# Altium PCB TopSheet.PcbDoc (continued)
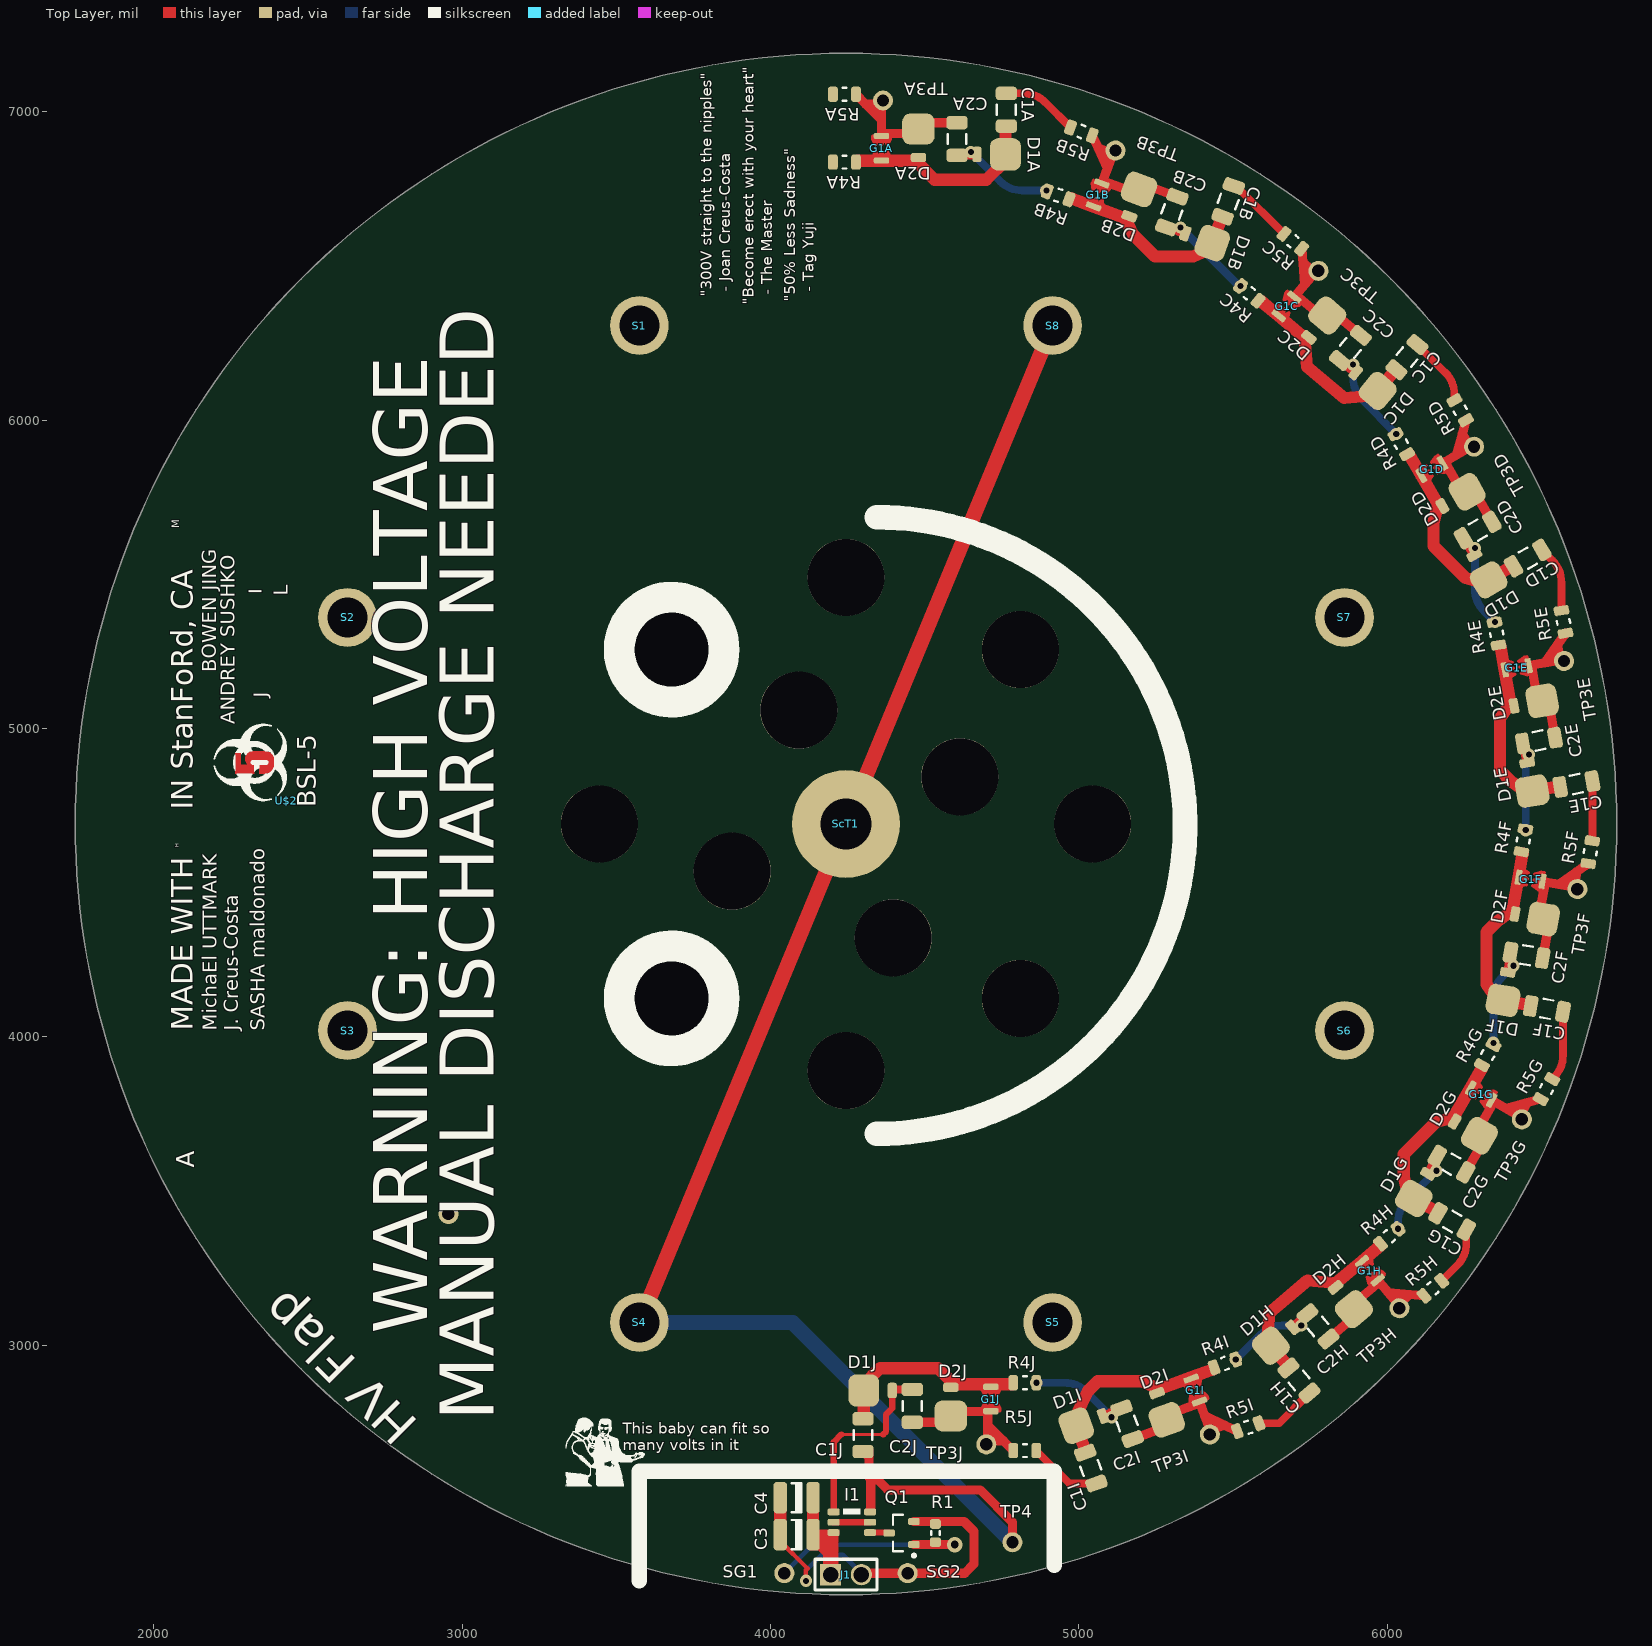
[diagram p0: Top Layer view]
## Components (designator, comment, footprint, x,y, rotation, side; value= is the part's Value field where it differs from the comment) (continued)
R5H "RES_0.0_OHM_1/8W_JUMP_0805_SMD" R0805 6148.77,3184.11 r40 top (schematic designator R5)
R5I "RES_0.0_OHM_1/8W_JUMP_0805_SMD" R0805 5549.47,2733.34 r20 top (schematic designator R5)
R5J "RES_0.0_OHM_1/8W_JUMP_0805_SMD" R0805 4825,2657.36 r0 top (schematic designator R5)
S1 "4-40 Machine screw" SCREW_4-40#1 3575,6307 r0 top
S2 "4-40 Machine screw" SCREW_4-40#1 2628,5360 r0 top
S3 "4-40 Machine screw" SCREW_4-40#1 2628,4020 r0 top
S4 "4-40 Machine screw" SCREW_4-40#1 3575,3073 r0 top
S5 "4-40 Machine screw" SCREW_4-40#1 4915,3073 r0 top
S6 "4-40 Machine screw" SCREW_4-40#1 5862,4020 r0 top
S7 "4-40 Machine screw" SCREW_4-40#1 5862,5360 r0 top
S8 "4-40 Machine screw" SCREW_4-40#1 4915,6307 r0 top
ScT1 "4-40 Machine screw" SCREW_4-40#2 4670,4335 r0 top
SG1 "TEST_POINT_BLACK_KEYSTONE_5001" TEST_POINT_KEYSTONE_5001 4045,2260 r0 top
SG2 "TEST_POINT_BLACK_KEYSTONE_5001" TEST_POINT_KEYSTONE_5001 4445,2260 r180 top
TP3A "TEST_POINT_PURPLE_KEYSTONE_5119" TEST_POINT_KEYSTONE_5119 4365,7036.85 r270 top (schematic designator TP3)
TP3B "TEST_POINT_PURPLE_KEYSTONE_5119" TEST_POINT_KEYSTONE_5119 5119.05,6874.6 r250 top (schematic designator TP3)
TP3C "TEST_POINT_PURPLE_KEYSTONE_5119" TEST_POINT_KEYSTONE_5119 5777.33,6484.31 r230 top (schematic designator TP3)
TP3D "TEST_POINT_PURPLE_KEYSTONE_5119" TEST_POINT_KEYSTONE_5119 6282.22,5913.77 r210 top (schematic designator TP3)
TP3E "TEST_POINT_PURPLE_KEYSTONE_5119" TEST_POINT_KEYSTONE_5119 6574.08,5218.83 r190 top (schematic designator TP3)
TP3F "TEST_POINT_PURPLE_KEYSTONE_5119" TEST_POINT_KEYSTONE_5119 6617.43,4478.88 r170 top (schematic designator TP3)
TP3G "TEST_POINT_PURPLE_KEYSTONE_5119" TEST_POINT_KEYSTONE_5119 6437.22,3731.92 r150 top (schematic designator TP3)
TP3H "TEST_POINT_PURPLE_KEYSTONE_5119" TEST_POINT_KEYSTONE_5119 6040.04,3119.23 r130 top (schematic designator TP3)
TP3I "TEST_POINT_PURPLE_KEYSTONE_5119" TEST_POINT_KEYSTONE_5119 5425.1,2709.57 r110 top (schematic designator TP3)
TP3J "TEST_POINT_PURPLE_KEYSTONE_5119" TEST_POINT_KEYSTONE_5119 4700,2677.56 r90 top (schematic designator TP3)
TP4 "TEST_POINT_BLACK_KEYSTONE_5001" TEST_POINT_KEYSTONE_5001 4785,2360 r0 top
U$2 "" BSL-5-SLK-SML 2430,4765 r90 top

## Footprints (in the part's own frame and the unit in brackets; to place one, negate y for a bottom-side part, rotate by r counter-clockwise, add the part's x,y. Pads: shape width x height; smd on the part's side, far side on the other; paste and mask are expansions set on the pad)
3SOT23 [mm] "SOT23, 3-Leads, Body 3.0x2.6mm (max), Pitch 1.01mm, IPC High Density"
  rrect50% 0.95x0.6 smd: 1(-1.025,0.95) 2(-1.025,-0.95) 3(1.025,0)
  silkscreen extent -1.15,-1.5 0.7,1.98, body extent -1.25,-1.5 1.25,1.5, height 1.01
ATB3225 [mm]
  rrect50% 1x0.55 smd: 1(0,-1.7) 2(0,-0.85) 3(0,0) 4(3,0) 5(3,-0.85) 6(3,-1.7)
  silkscreen extent 0.8,-2 2.25,-1.5
BSL-5-SLK-SML [mil] "BSL-5-SLK-SML"
  Top Layer region: 87.47,104.41 117.54,104.41 117.54,104.43 117.54,108.36 118.49,111.9 121.07,114.49 124.61,115.44 124.61,115.44 127.25,114.92 129.48,113.42 130.98,111.19 131.5,108.55 131.5,108.55 131.5,104.51 131.5,66.07 131.5,64.79 131.02,62.36 129.64,60.31 127.59,58.93 125.16,58.45 125.16,58.45 124.92,58.45 122.07,59.02 119.66,60.63 118.05,63.04 117.48,65.89 117.48,65.89 117.48,88.53 117.48,88.53 117.48,88.54 117.47,88.54 117.47,88.54 117.47,88.54 87.52,88.54 87.52,81.3 87.52,70.42 89.88,58.58 96.59,48.54 106.63,41.83 118.47,39.47 118.47,39.47 134.42,39.47 148.04,43.12 158.01,53.08 161.66,66.7 161.66,66.7 161.55,66.7 161.55,106.85 161.55,111.03 160.56,117.55 157.66,123.47 157.66,123.47 152.92,128.6 146.95,132.24 146.95,132.24 138.81,134.24 130.46,133.43 130.46,133.43 123.43,130.44 117.46,125.67 117.46,125.67 116.53,125.67 116.53,147.54 155.55,147.54 155.55,166.54 87.42,166.54 87.42,104.37
  silkscreen extent -1,-1 250,236
C1206 [mm] "Chip Capacitor, 2-Leads, Body 3.2x1.6mm, IPC High Density"
  rrect50% 1.1x1.75 smd: 1(-1.35,0) 2(1.35,0)
  silkscreen extent -0.4,-0.77 0.4,0.77, body extent -1.6,-0.8 1.6,0.8, height 0.78
C1210P [mm] "Chip Capacitor, 2-Leads, Body 3.2x2.5mm, IPC High Density"
  rrect50% 1.1x2.6 smd: 1(-1.35,0) 2(1.35,0)
  silkscreen extent -0.4,-1.2 0.4,1.2, body extent -1.6,-1.25 1.6,1.25, height 0.78
CONN_1x2_100MIL [mm]
  rect 1.75x1.75 hole 1.27: 1(0,0)
  round 1.75 hole 1.27: 2(0,-2.54)
  silkscreen extent -1.27,-3.81 1.27,1.27, body extent -1.3,-3.86 1.24,1.22, height 8.5
DO-220AA [mil] "SMP (DO-220AA) (Diode package)"
  rrect50% 100x105.12 smd: 1(0,0)
  rrect50% 30x50 smd: 2(92.56,0)
  body extent -49,-46 105,45, height 45
R0603 [mm] "Chip Resistor, 2-Leads, Body 1.6x0.8mm, IPC High Density"
  rrect50% 0.8x0.9 smd: 1(-0.75,0) 2(0.75,0)
  silkscreen extent -0.15,-0.35 0.15,0.35, body extent -0.8,-0.4 0.8,0.4, height 0.45
R0805 [mm] "Chip Resistor, 2-Leads, Body 2.0x1.3mm, IPC High Density"
  rrect50% 0.8x1.25 smd: 1(-0.95,0) 2(0.95,0)
  silkscreen extent -0.15,-0.53 0.15,0.53, body extent -1,-0.62 1,0.63, height 0.6
SCREW_4-40#1 [mil] "4-40 machine screw. Mmm.. tasty"
  oval 190x191 hole 128.5: 1(0,0)
SCREW_4-40#2 [mil] "4-40 machine screw. Mmm.. tasty"
  round 350 hole 166: 1(-425,355)
SPARK_GAP_450V#1 [mil]
  rrect50% 20x50 smd: 1(-19.68,0)
  rrect50% 20x50 smd paste+0 mask+0: 2(59.37,0)
  Top Layer region: -9.84,29.53 9.84,19.69 -9.84,9.84 9.84,0 -9.84,-9.84 9.84,-19.69 -9.84,-29.53 -19.68,-29.53 -19.68,29.53
  Top Layer region: 49.53,-29.53 29.84,-19.69 49.53,-9.84 29.84,0 49.53,9.84 29.84,19.69 49.53,29.53 59.37,29.53 59.37,-29.53
  Top Layer lines w10: 59.37,-29.53 59.37,29.53 49.53,29.53 29.84,19.69 49.53,9.84 29.84,0 49.53,-9.84 29.84,-19.69 49.53,-29.53 59.37,-29.53 ; -9.84,-29.53 9.84,-19.69 -9.84,-9.84 9.84,0 -9.84,9.84 9.84,19.69 -9.84,29.53 -19.68,29.53 -19.68,-29.53 -9.84,-29.53
SPARK_GAP_450V#2 [mil]
  rrect50% 20x50 smd: 1(-19.68,0)
  rrect50% 20x50 smd paste+0 mask+0: 2(59.37,0)
  Top Layer region: -9.84,29.53 9.84,19.69 -9.84,9.84 9.84,0 -9.84,-9.84 9.84,-19.68 -9.84,-29.53 -19.69,-29.53 -19.68,29.53
  Top Layer region: 49.53,-29.53 29.84,-19.69 49.53,-9.84 29.84,0 49.53,9.84 29.84,19.69 49.53,29.53 59.37,29.53 59.37,-29.53
  Top Layer lines w10: -19.68,29.53 -9.84,29.53 -5.91,27.56 9.84,19.69 -9.84,9.84 9.84,0 -9.84,-9.84 9.84,-19.68 -5.91,-27.56 -9.84,-29.53 -19.69,-29.53 -19.68,0 -19.68,29.53 ; -19.68,29.53 -19.68,29.53 ; 59.37,29.53 49.53,29.53 45.59,27.56 29.84,19.69 49.53,9.84 29.84,0 49.53,-9.84 29.84,-19.69 45.59,-27.56 49.53,-29.53 59.37,-29.53 59.37,0 59.37,29.53
SPARK_GAP_450V#3 [mil]
  rrect50% 20x50 smd: 1(-19.68,0)
  rrect50% 20x50 smd paste+0 mask+0: 2(59.37,0)
  Top Layer region: -9.84,29.53 9.84,19.69 -9.84,9.84 9.84,0 -9.84,-9.84 9.84,-19.69 -9.84,-29.53 -19.68,-29.53 -19.69,29.53
  Top Layer region: 49.53,-29.53 29.84,-19.69 49.53,-9.84 29.84,0 49.53,9.84 29.84,19.69 49.53,29.53 59.37,29.53 59.37,-29.53
  Top Layer lines w10: 59.37,29.53 49.53,29.53 45.59,27.56 29.84,19.69 49.53,9.84 29.84,0 49.53,-9.84 29.84,-19.69 45.59,-27.56 49.53,-29.53 59.37,-29.53 59.37,0 59.37,29.53 ; -9.84,29.53 -19.69,29.53 -19.68,0 -19.68,-29.53 -9.84,-29.53 -5.91,-27.56 9.84,-19.69 -9.84,-9.84 9.84,0 -9.84,9.84 9.84,19.69 -5.91,27.56 -9.84,29.53
TEST_POINT_KEYSTONE_5001 [mil] "Black T/H Test Point"
  round 65 hole 40: 1(0,0)
  body extent -50,-50 50,50, height 180
TEST_POINT_KEYSTONE_5119 [mil] "Purple T/H Test Point"
  round 65 hole 40: 1(0,0)
  body extent -50,-50 50,50, height 180

## Part data
C1A C1B C1C C1D C1E C1F C1G C1H C1I C1J C2A C2B C2C C2D C2E C2F C2G C2H C2I C2J: Supplier Part Number 1=399-10469-1-ND, Supplier 1=Digi-Key
C3 C4: "330UF 1210 SMD TANTALUM CAPACITOR", Capacitance=330µF, ESR (Equivalent Series Resistance)="600 mOhm", Lifetime @ Temp.=-, Manufacturer="AVX Corporation", Manufacturer Part Number=F950J337KBAAQ2, Manufacturer Size Code=B, Operating Temperature="-55°C ~ 125°C", Package / Case="1210 (3528 Metric)", Supplier Part Number 1=478-8407-1-ND, Tolerance=±10%, Voltage - Rated=6.3V, Category=Capacitors, ComponentLink1Description=http://datasheets.avx.com/f95.pdf, ComponentLink1URL=http://datasheets.avx.com/f95.pdf, Features="General Purpose", Height - Seated (Max)="0.079\" (2.00mm)", Lead Spacing=-, Mounting Type="Surface Mount", Packaging="Cut Tape (CT)", Pricing 1="1=2.24, 10=1.857, 100=1.5567, 250=1.28356, 500=1.14702, 1000=1.03778 (USD)", RoHS="RoHS Compliant", Size / Dimension="0.138\" L x 0.110\" W (3.50mm x 2.80mm)", Stock 1=12610, Supplier 1=Digi-Key, Type="Conformal Coated"
D1A D1B D1C D1D D1E D1F D1G D1H D1I D1J D2A D2B D2C D2D D2E D2F D2G D2H D2I D2J: Supplier Part Number 1=S1PM-M3/84AGICT-ND, Supplier 1=Digi-Key
G1A G1B G1C G1D G1E G1F G1G G1H G1I G1J: library part SPARK_GAP_450V
J1: library part CONN_1x2, Color=Black, Manufacturer=FCI, Manufacturer Part Number=77311-118-02LF, Category="Connectors, Interconnects", ComponentLink1Description=http://portal.fciconnect.com/res/en/pdffiles/doc_search//77311.pdf, ComponentLink1URL=http://portal.fciconnect.com/res/en/pdffiles/doc_search//77311.pdf, Connector Type="Header, Unshrouded", Contact Finish="Gold, GXT™", Contact Finish Thickness="30µin (0.76µm)", Contact Mating Length="0.230\" (5.84mm)", Contact Type="Male Pin", Fastening Type=-, Features=-, Mounting Type="Through Hole", Number of Positions=2, Number of Positions Loaded=All, Number of Rows=1, Packaging=Bulk, Pitch="0.100\" (2.54mm)", RoHS="RoHS Compliant", Row Spacing=-, Termination=Solder
Q1: library part NFET_FDN5630, Current - Continuous Drain (Id) @ 25° C=1.7A, Drain to Source Voltage (Vdss)=60V, Input Capacitance (Ciss) @ Vds="400pF @ 15V", Manufacturer="Fairchild Semiconductor", Manufacturer Part Number=FDN5630, Package / Case="TO-236-3, SC-59, SOT-23-3", Power - Max=460mW, Supplier Device Package=3-SSOT, Supplier Part Number 1=FDN5630CT-ND, Category="Discrete Semiconductor Products", ComponentLink1Description=http://www.fairchildsemi.com/ds/FD/FDN5630.pdf, ComponentLink1URL=http://www.fairchildsemi.com/ds/FD/FDN5630.pdf, FET Feature="Logic Level Gate", FET Type="MOSFET N-Channel, Metal Oxide", Gate Charge (Qg) @ Vgs="10nC @ 10V", Mounting Type="Surface Mount", Packaging="Cut Tape (CT)", Pricing 1="1=0.66, 10=0.532, 100=0.3986, 250=0.34428, 500=0.29596, 1000=0.22952 (USD)", Rds On (Max) @ Id, Vgs="100 mOhm @ 1.7A, 10V", RoHS="RoHS Compliant", Stock 1=136076, Supplier 1=Digi-Key, Vgs(th) (Max) @ Id="3V @ 250µA"
R1: library part "RES SMD 10K OHM 1% 1/10W 0603", "RES SMD 10K OHM 1% 1/10W 0603", Manufacturer=Yageo, Manufacturer Part Number=RC0603FR-0710KL, Operating Temperature="-55°C ~ 155°C", Power (Watts)="0.1W, 1/10W", Resistance="10 k?", Resistance (Sortable)=10000, Supplier Part Number 1=311-10.0KHRCT-ND, Temperature Coefficient=±100ppm/°C, Tolerance=±1%, Datasheets=http://www.yageo.com/documents/recent/PYu-RC_Group_51_RoHS_L_9.pdf, Image=//media.digikey.com/Renders/Yageo%20Renders/0603-(1608-Metric).jpg, Supplier 1=Digikey
R4A R4B R4C R4D R4E R4F R4G R4H R4I R4J R5A R5B R5C R5D R5E R5F R5G R5H R5I R5J: "RES 0.0 OHM 1/8W JUMP 0805 SMD", Manufacturer="Panasonic Electronic Components", Manufacturer Part Number=ERJ-6GEY0R00V, Operating Temperature="-55°C ~ 155°C", Package / Case="0805 (2012 Metric)", Resistance (Ohms)=0, Supplier Device Package=0805, Supplier Part Number 1=P0.0ACT-ND, Temperature Coefficient=-, Tolerance=Jumper, Category=Resistors, ComponentLink1Description=http://industrial.panasonic.com/www-cgi/jvcr13pz.cgi?E+PZ+3+AOA0001+ERJ6GEY0R00V+7+WW, ComponentLink1URL=http://industrial.panasonic.com/www-cgi/jvcr13pz.cgi?E+PZ+3+AOA0001+ERJ6GEY0R00V+7+WW, Composition="Thick Film", Failure Rate=-, Features="Automotive AEC-Q200", Height - Seated (Max)="0.028\" (0.70mm)", Number of Terminations=2, Packaging="Cut Tape (CT)", Part Status=Active, Pricing 1="1=0.1, 10=0.024, 25=0.0172, 50=0.0132, 100=0.0097, 250=0.00744, 500=0.00594, 1000=0.00437 (USD)", RoHS="RoHS Compliant", Size / Dimension="0.079\" L x 0.049\" W (2.00mm x 1.25mm)", Stock 1=3323537, Supplier 1=Digi-Key
S1 S2 S3 S4 S5 S6 S7 S8 ScT1: library part SCREW_4-40, Supplier 1=Digi-Key
SG1 SG2 TP4: "BLACK T/H TEST POINT", Color=Black, Manufacturer="Keystone Electronics", Manufacturer Part Number=5001, Supplier Part Number 1=36-5001-ND, Category="Test and Measurement", ComponentLink1Description=http://www.keyelco.com/product-pdf.cfm?p=1310, ComponentLink1URL=http://www.keyelco.com/product-pdf.cfm?p=1310, Material - Body="Phosphor Bronze", Material - Insulation="Nylon 46, UL 94V-0", Mounting Type="0.040\" (1.02mm) Hole Diameter", Packaging=Bulk, Part Status=Active, Plating=Silver, Pricing 1="1=0.37, 10=0.316, 50=0.2298, 100=0.2209, 250=0.19832, 500=0.18932, 1000=0.1616, 2500=0.14424, 5000=0.13523 (USD)", RoHS="RoHS Compliant", Size / Dimension="0.100\" Dia x 0.180\" L (2.54mm x 4.57mm)", Stock 1=718799, Supplier 1=Digi-Key, Type="PC Test Point, Miniature"
TP3A TP3B TP3C TP3D TP3E TP3F TP3G TP3H TP3I TP3J: "PURPLE T/H TEST POINT", Color=Purple, Manufacturer="Keystone Electronics", Manufacturer Part Number=5119, Supplier Part Number 1=36-5119-ND, Category="Test and Measurement", ComponentLink1Description=http://www.keyelco.com/product-pdf.cfm?p=1338, ComponentLink1URL=http://www.keyelco.com/product-pdf.cfm?p=1338, Material - Body="Phosphor Bronze", Material - Insulation="Nylon 46, UL 94V-0", Mounting Type="0.040\" (1.02mm) Hole Diameter", Packaging=Bulk, Part Status=Active, Plating=Silver, Pricing 1="1=0.37, 10=0.316, 50=0.2298, 100=0.2209, 250=0.19832, 500=0.18932, 1000=0.1616, 2500=0.14424, 5000=0.13523 (USD)", RoHS="RoHS Compliant", Size / Dimension="0.100\" Dia x 0.180\" L (2.54mm x 4.57mm)", Stock 1=19346, Supplier 1=Digi-Key, Type="PC Test Point, Miniature"
U$2: library part BSL-5-SLK-SML

## Free pads (board coordinates)
  round 250 hole 250 unplated: 3(3445,4690) 3(3679.31,4124.31) 3(3679.31,5255.69) 3(3875.45,4536.93) 3(4091.93,5059.55) 3(4245,3890) 3(4245,5490) 3(4398.07,4320.45) 3(4614.55,4843.07) 3(4810.69,4124.31) 3(4810.69,5255.69) 3(5045,4690)

## Via types
v1: diameter 40, hole 20, Top Layer to Bottom Layer, 19 vias
v2: diameter 50, hole 25, Top Layer to Bottom Layer, 1 vias
v3: diameter 65, hole 40, Top Layer to Bottom Layer, 1 vias

## Nets (pads, with @x,y where several pads share a name; then routed paths per layer and width w, separated by ;. In a path a pad name is that pad's centre, name@x,y a point inside that pad or via, vN(x,y) a via of type N, cw(c..) or ccw(c..) an arc to the next point about the centre after c; other vN are vias at no path point)
HV_GND: C1J.1 I1.1 S4.1 S8.1 ScT1.1 TP4.1 | length 5853.7
  Top Layer w10: S4.1@3555,3073 S4.1
  Top Layer w30: C1J.1 C1J.1@4320,2634.41 ; 4320,2570 C1J.1@4320,2634.41 ; C1J.1@4320,2656.3 C1J.1@4320,2634.41 ; I1.1@4323.11,2465 4325,2465 4325,2585 4380,2530 4680,2530 4785,2425 TP4.1
  Top Layer w50: S4.1 ScT1.1 S8.1
  Bottom Layer w50: S4.1 4072,3073 TP4.1
NetC1A_1: C1A.1 R5B.2 | length 250
  Top Layer w25: C1A.1 4821.05,7060 cw(c4821.05,6960) 4891.76,7030.71 R5B.2
NetC1A_2: C1A.2 D1A.1 D2A.2 G1A.2 R4A.1 | length 640.4
  Top Layer w40: R4A.1@4282.4,6841.85 4470,6841.85 4531.85,6780 4700,6780 4762.56,6842.56 D1A.1 C1A.2@4762.56,6951.26
NetC1B_1: C1B.1 R5C.2 | length 226.6
  Top Layer w25: C1B.1 cw(c5502.84,6740.98) 5515.96,6754.12 R5C.2
NetC1B_2: C1B.2 D1B.1 D2B.2 G1B.2 R4B.1 | length 640.8
  Top Layer w40: R4B.1@4974.74,6719.61 5047.66,6693.07 5151.02,6655.45 5176.03,6601.81 5247.23,6530.62 5371.63,6530.62 5426.18,6556.05 D1B.1 C1B.2@5463.36,6658.2
NetC1C_1: C1C.1 R5D.2 | length 225.8
  Top Layer w25: C1C.1 6189.22,6154.33 cw(c6118.51,6083.62) 6218.51,6083.62 R5D.2
NetC1C_2: C1C.2 D1C.1 D2C.2 G1C.2 R4C.1 | length 644.6
  Top Layer w40: R4C.1@5588.72,6388.02 5648.16,6338.14 5732.42,6267.44 5740.67,6173.17 5861.73,6071.59 5956.99,6079.93 D1C.1 C1C.2@6026.86,6163.2
NetC1D_1: C1D.1 R5E.2 | length 218.7
  Top Layer w25: C1D.1 6536.48,5544.72 cw(c6465.77,5474.01) 6565.77,5474.01 R5E.2
NetC1D_2: C1D.2 D1D.1 D2D.2 G1D.2 R4D.1 | length 639
  Top Layer w40: R4D.1@6072.05,5887.8 6110.85,5820.6 6165.85,5725.34 6150.53,5668.17 6150.53,5591.98 6254.61,5487.91 6312.74,5472.33 D1D.1 C1D.2@6406.88,5526.68
NetC1E_1: C1E.1 R5F.2 | length 193.8
  Top Layer w25: R5F.2 ccw(c6663.56,4637.27) 6666.34,4637.27 C1E.1
NetC1E_2: C1E.2 D1E.1 D2E.2 G1E.2 R4E.1 | length 635.6
  Top Layer w40: R4E.1@6367.7,5266.31 6381.18,5189.89 6400.28,5081.56 6366.33,5033.08 6366.33,4864.24 6402.48,4828.1 6451.78,4793.57 D1E.1 C1E.2@6558.83,4812.45
NetC1F_1: C1F.1 R5G.2 | length 228.6
  Top Layer w25: R5G.2 6541.48,3868.03 ccw(c6470.77,3938.74) 6570.77,3938.74 C1F.1
NetC1F_2: C1F.2 D1F.1 D2F.2 G1F.2 R4F.1 | length 635.6
  Top Layer w40: R4F.1@6439.74,4594.08 6426.27,4517.66 6407.16,4409.33 6358.68,4375.39 6322.54,4339.24 6322.54,4170.4 6357.06,4121.1 D1F.1 C1F.2@6464.11,4102.22
NetC1G_1: C1G.1 R5H.2 | length 194.6
  Top Layer w25: R5H.2 6227.98,3258.71 ccw(c6157.27,3329.42) 6257.27,3329.42 C1G.1
NetC1G_2: C1G.2 D1G.1 D2G.2 G1G.2 R4G.1 | length 639
  Top Layer w40: C1G.2@6164.32,3430.42 D1G.1 6070.18,3484.77 6054.61,3542.91 6054.61,3619.1 6158.68,3723.17 6215.85,3738.49 6270.85,3833.75 R4G.1@6309.65,3900.95
NetC1H_1: C1H.1 R5I.2 | length 204.6
  Top Layer w25: R5I.2 5650.25,2746.13 C1H.1
NetC1H_2: C1H.2 D1H.1 D2H.2 G1H.2 R4H.1 | length 643.1
  Top Layer w40: C1H.2@5680.47,2929.25 D1H.1 5610.6,3012.52 5618.71,3105.18 5742.6,3209.13 5834.26,3201.11 5918.52,3271.82 R4H.1@5977.97,3321.7
NetC1I_1: C1I.1 R5J.2 | length 238.8
  Top Layer w25: R5J.2 4968.76,2551.01 C1I.1
NetC1I_2: C1I.2 D1I.1 D2I.2 G1I.2 R4I.1 | length 649.3
  Top Layer w40: C1I.2@5022.24,2654.02 D1I.1 4985.07,2756.17 5010.5,2810.72 5028.31,2848.91 5061.31,2881.91 5206.1,2881.91 5259.74,2856.9 5363.1,2894.52 5363.31,2894.59 R4I.1@5436.02,2921.06
NetC1J_2: C1J.2 D1J.1 D2J.2 G1J.2 R4J.1 | length 632.6
  Top Layer w40: C1J.2@4302.44,2763.15 D1J.1 4302.44,2871.85 4355.59,2925 4542.56,2925 4595,2872.56 R4J.1@4782.6,2872.56
NetC2A_1: C2A.1 D1A.2 R4B.2 | length 363.2
  Top Layer w25: C2A.1@4608.15,6861.85 C2A.1 4666.85,6858.7 D1A.2
  Bottom Layer w25: v1(4650,6870) 4745.71,6774.29 ccw(c4816.42,6845) 4816.42,6745 v1(4895,6745)
NetC2A_2: C2A.2 D2A.1 G1A.1 R5A.1 TP3A.1 | length 538.6
  Top Layer w30: R5A.1 4309.45,7025 ; TP3A.1 TP3A.1@4360,7031.85 ; C2A.2 4500.59,6965 D2A.1 4465.59,6930 4360,6930 4360,6974.45 ; 4309.45,7025 4360,6974.45 ; 4309.45,7025 4353.15,7025 TP3A.1@4360,7031.85 ; 4360,6974.45 TP3A.1@4360,7031.85
NetC2B_1: C2B.1 D1B.2 R4C.2 | length 343.9
  Top Layer w25: C2B.1@5287.68,6626.99 C2B.1 5324.61,6610.2 5341.76,6603.96 D1B.2
  Bottom Layer w25: v1(5330,6625) 5516.46,6438.54 ccw(c5525,6447.07) v1(5525,6435)
NetC2B_2: C2B.2 D2B.1 G1B.1 R5B.1 TP3B.1 | length 538.6
  Top Layer w30: R5B.1 5062.79,6882.47 ; TP3B.1 TP3B.1@5112.64,6871.61 ; C2B.2 5221.89,6760.71 D2B.1 5177.03,6739.79 5077.8,6775.91 5093.01,6817.67 ; 5062.79,6882.47 5093.01,6817.67 ; 5062.79,6882.47 5103.86,6867.52 TP3B.1@5112.64,6871.61 ; 5093.01,6817.67 TP3B.1@5112.64,6871.61
NetC2C_1: C2C.1 D1C.2 R4D.2 | length 349.4
  Top Layer w25: C2C.1@5851.11,6193.96 C2C.1 5878.78,6166.63 5894.05,6153.81 D1C.2
  Bottom Layer w25: v1(5890,6180) 5890,6136.42 ccw(c5990,6136.42) 5919.29,6065.71 v1(6030,5955)
NetC2C_2: C2C.2 D2C.1 G1C.1 R5C.1 TP3C.1 | length 538.6
  Top Layer w30: R5C.1 5727.16,6510.94 ; TP3C.1 TP3C.1@5770.29,6483.69 ; C2C.2 5835.02,6342.11 D2C.1 5785.71,6337.8 5704.82,6405.67 5733.39,6439.72 ; 5727.16,6510.94 5733.39,6439.72 ; 5727.16,6510.94 5760.64,6482.85 TP3C.1@5770.29,6483.69 ; 5733.39,6439.72 TP3C.1@5770.29,6483.69
NetC2D_1: C2D.1 D1D.2 R4E.2 | length 333.4
  Top Layer w25: C2D.1@6252.24,5615.7 C2D.1 6271,5576.92 6278.87,5563.29 6279.16,5563.21 D1D.2
  Bottom Layer w25: v1(6285,5585) 6285,5451.42 ccw(c6385,5451.42) 6314.29,5380.71 v1(6350,5345)
NetC2D_2: C2D.2 D2D.1 G1D.1 R5D.1 TP3D.1 | length 538.6
  Top Layer w30: R5D.1 6244.19,5955.95 ; TP3D.1 TP3D.1@6275.39,5915.6 ; C2D.2 6287.8,5760.42 D2D.1 6239.98,5773.23 6187.19,5864.68 6225.68,5886.9 ; 6225.68,5886.9 6244.19,5955.95 ; 6225.68,5886.9 TP3D.1@6275.39,5915.6 ; 6244.19,5955.95 6266.04,5918.11 TP3D.1@6275.39,5915.6
NetC2E_1: C2E.1 D1E.2 R4F.2 | length 318.4
  Top Layer w25: C2E.1@6443.96,4948.99 C2E.1 6447.16,4912.74 6451.06,4890.63 D1E.2
  Bottom Layer w25: v1(6450,4670) 6450,4890.86 cw(c6484.14,4890.86) v1(6460,4915)
NetC2E_2: C2E.2 D2E.1 G1E.1 R5E.1 TP3E.1 | length 538.6
  Top Layer w30: C2E.2 6526.87,5072.82 D2E.1 6486.32,5101.21 6467.99,5205.2 6511.76,5212.92 ; TP3E.1 TP3E.1@6568.29,5222.89 ; R5E.1 6552.77,5271.48 ; 6511.76,5212.92 6552.77,5271.48 ; 6511.76,5212.92 TP3E.1@6568.29,5222.89 ; 6552.77,5271.48 6560.36,5228.44 TP3E.1@6568.29,5222.89
NetC2F_1: C2F.1 D1F.2 R4G.2 | length 343.4
  Top Layer w25: D1F.2 6389.58,4212.55 6393.18,4232.97 C2F.1 C2F.1@6402.87,4269.81
  Bottom Layer w25: v1(6345,3980) 6345,4123.58 cw(c6445,4123.58) 6374.29,4194.29 v1(6410,4230)
NetC2F_2: C2F.2 D2F.1 G1F.1 R5F.1 TP3F.1 | length 538.6
  Top Layer w30: C2F.2 6523.13,4357.82 D2F.1 6494.74,4398.37 6513.08,4502.36 6556.85,4494.64 ; TP3F.1 TP3F.1@6613.38,4484.67 ; R5F.1 6615.41,4535.64 ; 6556.85,4494.64 6615.41,4535.64 ; 6556.85,4494.64 TP3F.1@6613.38,4484.67 ; TP3F.1@6613.38,4484.67 6607.82,4492.61 6615.41,4535.64
NetC2G_1: C2G.1 D1G.2 R4H.2 | length 306
  Top Layer w25: D1G.2 6132.54,3557.64 6132.02,3559.59 6141.36,3575.76 C2G.1 C2G.1@6164.1,3608.85
  Bottom Layer w25: v1(6035.88,3376.83) 6035.88,3399.46 cw(c6135.88,3399.46) 6065.17,3470.17 v1(6160,3565)
NetC2G_2: C2G.2 D2G.1 G1G.1 R5G.1 TP3G.1 | length 538.6
  Top Layer w30: C2G.2 6307.2,3650.42 D2G.1 6294.39,3698.23 6347.19,3789.68 6385.68,3767.45 ; TP3G.1 TP3G.1@6435.39,3738.75 ; R5G.1 6454.74,3785.95 ; 6385.68,3767.45 6454.74,3785.95 ; 6385.68,3767.45 TP3G.1@6435.39,3738.75 ; TP3G.1@6435.39,3738.75 6432.89,3748.11 6454.74,3785.95
NetC2H_1: C2H.1 D1H.2 R4I.2 | length 324.3
  Top Layer w25: D1H.2 5694.29,3061.67 5711.03,3075.72 C2H.1 C2H.1@5741.28,3096.99
  Bottom Layer w25: v1(5509.3,2953.05) 5590.2,3033.94 cw(c5660.91,2963.23) 5660.91,3063.23 v1(5721.51,3063.23)
NetC2H_2: C2H.2 D2H.1 G1H.1 R5H.1 TP3H.1 | length 538.6
  Top Layer w30: C2H.2 5889.98,3087.11 D2H.1 5894.3,3136.42 5975.18,3204.29 6003.75,3170.24 ; TP3H.1 TP3H.1@6040.65,3126.27 ; R5H.1 6074.97,3164.01 ; 6003.75,3170.24 6074.97,3164.01 ; 6003.75,3170.24 TP3H.1@6040.65,3126.27 ; TP3H.1@6040.65,3126.27 6041.5,3135.92 6074.97,3164.01
NetC2I_1: C2I.1 D1I.2 R4J.2 | length 356.9
  Top Layer w25: D1I.2 5080.52,2773.73 5101.06,2781.21 C2I.1 C2I.1@5136.76,2790.85
  Bottom Layer w25: v1(4862.4,2877.56) 4953.54,2877.56 cw(c4953.54,2777.56) 5024.25,2848.27 v1(5106.63,2765.89)
NetC2I_2: C2I.2 D2I.1 G1I.1 R5I.1 TP3I.1 | length 538.6
  Top Layer w30: C2I.2 5273.11,2730.71 D2I.1 5294.03,2775.57 5393.25,2811.68 5408.46,2769.92 ; TP3I.1 TP3I.1@5428.09,2715.98 ; R5I.1 5473.25,2739.7 ; 5408.46,2769.92 TP3I.1@5428.09,2715.98 ; 5408.46,2769.92 5473.25,2739.7 ; TP3I.1@5428.09,2715.98 5432.18,2724.76 5473.25,2739.7
NetC2J_1: C2J.1 D1J.2 I1.6 | length 628.2
  Top Layer w10: 4230,2710 4365.59,2710 4370,2710
  Top Layer w20: I1.6 4205,2685 4230,2710 ; 4365,2709.41 4365.59,2710 4375,2719.41 4375,2775 4395,2795 D1J.2
  Top Layer w25: D1J.2 4398.15,2855.71 C2J.1 C2J.1@4456.85,2852.56
NetC2J_2: C2J.2 D2J.1 G1J.1 R5J.1 TP3J.1 | length 538.6
  Top Layer w30: C2J.2 4564.41,2749.41 D2J.1 4599.41,2784.41 4705,2784.41 4705,2739.96 ; TP3J.1 TP3J.1@4705,2682.56 ; R5J.1 4755.55,2689.41 ; TP3J.1@4705,2682.56 4705,2739.96 ; TP3J.1@4705,2682.56 4711.85,2689.41 4755.55,2689.41 ; 4705,2739.96 4755.55,2689.41
NetR4A_2: R4A.2
NetR5A_2: R5A.2
QIN: I1.3 Q1.3 | length 60
  Top Layer w20: I1.3 Q1.3@4383.11,2391.54
SG1: Q1.1 R1.2 SG1.1 | length 722.8
  Top Layer w30: Q1.1 v2(4597.4,2352.6)
  Bottom Layer w15: SG1.1 4137.6,2352.6 v2(4597.4,2352.6)
SG2: C3.2 C4.2 J1.2 Q1.2 R1.1 SG2.1 | length 1265.5
  Top Layer w15: C3.2 4031.85,2363.15 4120,2275 4115,2270 v1(4115,2235)
  Top Layer w30: J1.2 4300,2260 SG2.1 4630,2260 4660,2290 4660,2395 4627.6,2427.4 Q1.2
  Top Layer w40: C3.2 C4.2
  Bottom Layer w15: v1(4115,2235) 4115,2268.65 4166.35,2320 4234.25,2320 4295,2259.25 J1.2
TIE: I1.2 I1.5 | length 118.1
  Top Layer w20: I1.5 I1.2
VCC: C3.1 C4.1 I1.4 J1.1 | length 193.1
  Top Layer w40: C3.1 C4.1
  Top Layer w50: J1.1 4195,2328.15
pads on no net: S1.1 S2.1 S3.1 S5.1 S6.1 S7.1
copper on no net:
  other v3: 2955,3425

## Other copper
Top Layer:
  region net VCC: 4225,2390 4220,2385 4220,2320 4170,2320 4155,2335 4130,2335 4130,2390 4145,2400 4220,2400

## Silkscreen, mask and mechanical layers (free items; w line width, h text height)
Top Overlay:
  drawing of 2155 lines, arcs and shapes, not listed
  text "\"300V straight to the nipples\" /  - Joan Creus-Costa" at 3883,6400.17 h60 r90
  text "\"50% Less Sadness\" /   - Tag Yuji" at 4153,6384.5 h60 r90
  text "\"Become erect with your heart\" /   - The Master" at 4018,6374.5 h60 r90
  text "M" at 2090,5650 h40 r90
  text "I" at 2365,5435 h80 r90
  text "L" at 2450,5430 h80 r90
  text "BOWEN JING" at 2218.62,5182.13 h80 r90
  text "J" at 2380,5100 h80 r90
  text "ANDREY SUSHKO" at 2278.62,5013.78 h80 r90
  text "BSL-5" at 2525,4745 h60 r90
  text "H" at 2085,4615 h20 r90
  text "MADE WITH     IN StanFoRd, CA" at 2150,4020 h120 r90
  text "MichaEl UTTMARK" at 2220,4020 h80 r90
  text "J. Creus-Costa" at 2290,4020 h80 r90
  text "SASHA maldonado" at 2375,4020.07 h80 r90
  text "A" at 2150,3575 h100 r90
  text "WARNING: HIGH VOLTAGE" at 2945,3035.74 h300 r90
  text "HV Flap" at 2890,2775 h200 r135
  text "MANUAL DISCHARGE NEEDED" at 3160,2755 h300 r90
  text "This baby can fit so / many volts in it" at 3521,2659 h35
Bottom Overlay:
  text "so much volts / so many conductivity / so much volts / so many conductivity / so much volts / so many conductivity / so much volts" at 3880,6765 h40 r180
  text "so much volts / so many conductivity / so much volts / so many conductivity / so much volts / so many conductivity / so much volts" at 6320,5055 h40 r90
  text "so much volts / so many conductivity / so much volts / so many conductivity / so much volts / so many conductivity / so much volts" at 2170,4325 h40 r270
  text "so much volts / so many conductivity / so much volts / so many conductivity / so much volts / so many conductivity / so much volts" at 4615,2625 h40
Mechanical 1:
  circle w10: c4245,4690 r2500
Mechanical 19:
  text "Spacing 20mil between HV traces / (https://www.smps.us/pcbtracespacing.html)" at 5475,1805 h200

## Text inside footprints (layer, text, board x,y; h text height)
C3: Mechanical 19 "+" at 4027,2440 h40 r180; Mechanical 19 "-" at 4149,2439 h40 r180
C4: Mechanical 19 "-" at 4149,2559 h40 r180; Mechanical 19 "+" at 4027,2560 h40 r180